# Allegro board gps_interface_boardv45ph.brd (continued)
## Routing (per net, layer and track width the routed paths; a pad name or vN(x,y) marks a point on that pad's centre or on a via; arc(x,y) is an arc through that point) (continued)
N04910_SFP INTERFACE_SFP3: length 4.2
  TOP w0.165: v1(235.28,85.17) 235.59,84.86 236.13,84.86 U30.1 ; U30.4 235.67,83.37 v1(235.28,82.98)
  BOTTOM w0.165: v1(235.28,82.98) v1(235.28,85.17)
N04910_SFP INTERFACE_SFP4: length 4.2
  TOP w0.165: U34.1 206.92,84.86 206.38,84.86 v1(206.07,85.17) ; U34.4 206.46,83.37 v1(206.07,82.98)
  BOTTOM w0.165: v1(206.07,82.98) v1(206.07,85.17)
N04910_SFP INTERFACE_SFP5: length 4.2
  TOP w0.165: U38.4 184.16,83.37 v1(183.77,82.98) ; U38.1 184.62,84.86 184.07,84.86 v1(183.77,85.17)
  BOTTOM w0.165: v1(183.77,82.98) v1(183.77,85.17)
N04910_SFP INTERFACE_SFP6: length 4.2
  TOP w0.165: v1(161.65,82.98) 162.04,83.37 U42.4 ; U42.1 162.49,84.86 161.95,84.86 v1(161.65,85.17)
  BOTTOM w0.165: v1(161.65,82.98) v1(161.65,85.17)
N04977_SFP INTERFACE_SFP1: length 4.4
  TOP w0.33: U22.5 281.11,82.16 v1(280.75,81.79) ; v1(283.06,81.79) 282.61,82.23 U22.8
  BOTTOM w0.165: v1(280.75,81.79) v1(283.06,81.79)
N04977_SFP INTERFACE_SFP2: length 4.4
  TOP w0.33: U26.5 259.04,82.26 v1(258.67,81.89) ; v1(260.99,81.89) 260.54,82.33 U26.8
  BOTTOM w0.165: v1(258.67,81.89) v1(260.99,81.89)
N04977_SFP INTERFACE_SFP3: length 4.4
  TOP w0.33: v1(236.37,81.89) 236.74,82.26 U30.5 ; U30.8 238.24,82.33 v1(238.68,81.89)
  BOTTOM w0.165: v1(236.37,81.89) v1(238.68,81.89)
N04977_SFP INTERFACE_SFP4: length 4.4
  TOP w0.33: v1(209.47,81.89) 209.03,82.33 U34.8 ; U34.5 207.53,82.26 v1(207.16,81.89)
  BOTTOM w0.165: v1(207.16,81.89) v1(209.47,81.89)
N04977_SFP INTERFACE_SFP5: length 4.4
  TOP w0.33: v1(184.86,81.89) 185.23,82.26 U38.5 ; v1(187.17,81.89) 186.73,82.33 U38.8
  BOTTOM w0.165: v1(184.86,81.89) v1(187.17,81.89)
N04977_SFP INTERFACE_SFP6: length 4.4
  TOP w0.33: U42.5 163.11,82.26 v1(162.74,81.89) ; U42.8 164.61,82.33 v1(165.05,81.89)
  BOTTOM w0.165: v1(162.74,81.89) v1(165.05,81.89)
N136741_SFP INTERFACE_SFP1: length 3.6
  TOP w0.203: v1(277.91,106.26) 279.18,106.26 279.18,106.26 D17.1
  BOTTOM w0.203: R132.1 v1(277.91,106.26)
N136741_SFP INTERFACE_SFP2: length 3.6
  TOP w0.203: v1(255.84,106.26) 257.11,106.26 257.11,106.26 D21.1
  BOTTOM w0.203: R153.1 v1(255.84,106.26)
N136741_SFP INTERFACE_SFP3: length 3.6
  TOP w0.203: D25.1 234.81,106.26 234.8,106.26 v1(233.54,106.26)
  BOTTOM w0.203: R174.1 v1(233.54,106.26)
N136741_SFP INTERFACE_SFP4: length 3.6
  TOP w0.203: D29.1 205.57,106.26 v1(204.31,106.26)
  BOTTOM w0.203: R195.1 v1(204.31,106.26)
N136741_SFP INTERFACE_SFP5: length 3.6
  TOP w0.203: v1(182,106.26) 183.27,106.26 D33.1
  BOTTOM w0.203: R216.1 v1(182,106.26)
N136741_SFP INTERFACE_SFP6: length 3.4
  TOP w0.203: v1(159.88,106.6) 160.23,106.25 161.14,106.25 161.15,106.26 D37.1
  BOTTOM w0.203: R237.1 v1(159.88,106.6)
N141568_SFP INTERFACE_SFP1: length 5
  BOTTOM w0.203: R131.2 280.06,77.8 278.89,78.97 U24.4
N141568_SFP INTERFACE_SFP2: length 5
  BOTTOM w0.203: U28.4 256.82,79.07 257.99,77.9 R152.2
N141568_SFP INTERFACE_SFP3: length 5
  BOTTOM w0.203: R173.2 235.69,77.9 234.52,79.07 U32.4
N141568_SFP INTERFACE_SFP4: length 5
  BOTTOM w0.203: U36.4 205.31,79.07 206.48,77.9 R194.2
N141568_SFP INTERFACE_SFP5: length 5
  BOTTOM w0.203: U40.4 183.01,79.07 184.18,77.9 R215.2
N141568_SFP INTERFACE_SFP6: length 6.7
  TOP w0.203: D37.2 162.55,107.86 162.59,107.9 v1(163.53,107.9)
  BOTTOM w0.203: U44.4 160.88,79.07 162.05,77.9 R236.2
N210584_SFP INTERFACE_SFP1: length 5.6
  TOP w0.203: D16.1 283.18,74.77 283.25,74.7 v1(283.25,73.82)
  BOTTOM w0.203: v1(283.25,73.82) R133.1 283.25,76.91 283.25,76.92 R131.1
N210584_SFP INTERFACE_SFP2: length 5.6
  TOP w0.203: v1(261.18,73.93) 261.18,74.8 261.11,74.87 D20.1
  BOTTOM w0.203: v1(261.18,73.93) R154.1 261.18,77.01 261.18,77.02 R152.1
N210584_SFP INTERFACE_SFP3: length 5.6
  TOP w0.203: D24.1 238.81,74.87 238.88,74.8 v1(238.88,73.93)
  BOTTOM w0.203: v1(238.88,73.93) R175.1 238.88,77.01 238.88,77.02 R173.1
N210584_SFP INTERFACE_SFP4: length 5.6
  TOP w0.203: v1(209.67,73.93) 209.67,74.8 209.6,74.87 D28.1
  BOTTOM w0.203: v1(209.67,73.93) R196.1 209.67,77.01 209.67,77.02 R194.1
N210584_SFP INTERFACE_SFP5: length 5.6
  TOP w0.203: D32.1 187.3,74.87 187.36,74.8 v1(187.36,73.93)
  BOTTOM w0.203: R215.1 187.37,77.02 187.36,77.01 R217.1 v1(187.36,73.93)
N210584_SFP INTERFACE_SFP6: length 5.6
  TOP w0.203: v1(165.24,73.93) 165.24,74.8 165.18,74.87 D36.1
  BOTTOM w0.203: v1(165.24,73.93) R238.1 165.24,77.01 165.25,77.02 R236.1
Net_72: length 0.7
  TOP w0.203: 110.26,79.13 109.56,79.13
Net_73: length 0.6
  TOP w0.203: 110.26,80.63 109.61,80.63
PG_2V5: length 12
  TOP w0.203: v1(53.57,53.77) 48.11,53.77 46.68,52.34 U12.4
  BOTTOM w0.203: Q6.1 55.11,55.04 55.13,55.02 R61.1 53.98,53.37 v1(53.57,53.77)
PG_3V3: length 32.9
  TOP w0.165: v1(51.87,71.58) 47.76,71.58 46.53,70.35 U9.4 ; U11.4 46.51,85.21 47.68,86.39 v1(51.87,86.39)
  BOTTOM w0.203: v1(51.87,71.58) v1(51.87,86.39) 52.3,86.82 R56.1 54.88,88.51 54.91,88.54 Q5.1
PG_3V5: length 18.2
  TOP w0.203: U6.31 8.06,44.82 v1(6.78,46.1)
  BOTTOM w0.203: v1(6.78,46.1) 7.29,45.59 7.29,34.21 7.3,34.2 R40.1 7.3,31.2 7.27,31.17 Q3.1
PG_5V: length 12
  TOP w0.165: U7.4 15.11,70.27 16.14,71.3 20.47,71.3
  TOP w0.203: v1(21.08,71.93) 20.47,71.32 20.47,71.3
  BOTTOM w0.203: Q4.1 23.67,73.71 23.63,73.67 R50.1 v1(21.08,71.93)
PGOOD_P5V5: length 0.8
  TOP w0.17: U100.B2 v1(-9.92,31.03)
PPS_OUT_N: length 3.7
  TOP w0.33: R12.1 41.96,128.55 41.96,130.46 41.9,130.52 U2.6
PPS_OUT_P: length 3.6
  TOP w0.33: U2.7 42.55,130.52 42.49,130.46 42.49,128.3 R11.1
R_N_SFP INTERFACE_SFP1: length 2.4
  TOP w0.178: U22.15 281.61,86.34 R130.2
R_N_SFP INTERFACE_SFP2: length 2.4
  TOP w0.178: U26.15 259.54,86.45 R151.2
R_N_SFP INTERFACE_SFP3: length 2.4
  TOP w0.178: R172.2 237.24,86.45 U30.15
R_N_SFP INTERFACE_SFP4: length 2.4
  TOP w0.178: U34.15 208.03,86.45 R193.2
R_N_SFP INTERFACE_SFP5: length 2.4
  TOP w0.178: R214.2 185.73,86.45 U38.15
R_N_SFP INTERFACE_SFP6: length 2.4
  TOP w0.178: R235.2 163.61,86.45 U42.15
R_P_SFP INTERFACE_SFP1: length 2
  TOP w0.178: R128.2 282.13,85.39 U22.14
R_P_SFP INTERFACE_SFP2: length 2
  TOP w0.178: U26.14 260.06,85.49 R149.2
R_P_SFP INTERFACE_SFP3: length 2
  TOP w0.178: U30.14 237.76,85.49 R170.2
R_P_SFP INTERFACE_SFP4: length 2
  TOP w0.178: R191.2 208.55,85.49 U34.14
R_P_SFP INTERFACE_SFP5: length 2
  TOP w0.178: U38.14 186.24,85.49 R212.2
R_P_SFP INTERFACE_SFP6: length 2
  TOP w0.178: R233.2 164.12,85.49 U42.14
RECOV_ACLK_CLK_N: length 1.4
  TOP w0.165: 108.91,83.13 109.65,83.13 109.65,83.13 U48.2
RS_SFP INTERFACE_ACLK SFP: length 2.7
  TOP w0.203: J30.7 v1(136.01,121.94)
  BOTTOM w0.203: v1(136.01,121.94) 136.01,122.51 136.02,122.52 R2681.2
RS_SFP INTERFACE_SFP1: length 2.7
  TOP w0.203: J13.7 v1(283.28,121.99)
  BOTTOM w0.203: v1(283.28,121.99) 283.28,122.56 283.29,122.57 R129.2 283.29,123.07
RS_SFP INTERFACE_SFP2: length 2.7
  TOP w0.203: J14.7 v1(261.21,121.94)
  BOTTOM w0.203: R150.2 261.21,122.52 261.21,122.51 v1(261.21,121.94)
RS_SFP INTERFACE_SFP3: length 2.7
  TOP w0.203: J18.7 v1(238.91,121.94)
  BOTTOM w0.203: v1(238.91,121.94) 238.91,122.51 238.91,122.52 R171.2
RS_SFP INTERFACE_SFP4: length 2.7
  TOP w0.203: J19.7 v1(209.67,121.94)
  BOTTOM w0.203: R192.2 209.68,122.52 209.67,122.51 v1(209.67,121.94)
RS_SFP INTERFACE_SFP5: length 2.7
  TOP w0.203: J20.7 v1(187.37,121.94)
  BOTTOM w0.203: R213.2 187.38,122.52 187.37,122.51 v1(187.37,121.94)
RS_SFP INTERFACE_SFP6: length 2.7
  TOP w0.203: J21.7 v1(165.25,121.94)
  BOTTOM w0.203: v1(165.25,121.94) 165.25,122.51 165.25,122.52 R234.2
RT_5V5: length 2.6
  TOP w0.165: R42.1 8.81,49.19 9.38,48.62 U6.26
SFP_RD_N: length 20.6
  TOP w0.33: U107.4 137.3,96.05 137.79,96.55 137.79,99.29 135.36,101.73 135.36,107.73 134.95,108.14 134.95,110.46 134.81,110.59 J30.12
SFP_RD_P: length 20.5
  TOP w0.33: J30.13 135.61,110.59 135.48,110.46 135.48,108.36 135.89,107.95 135.89,101.95 138.33,99.51 138.33,96.55 138.8,96.07 U107.1
SFP_TD_N_SFP INTERFACE_SFP1: length 38
  TOP w0.178: R126.1 R122.2 288.69,81.97 C141.2
  TOP w0.33: C141.2 288.94,83.44 291.19,83.44 293.67,85.93 293.67,91.31 286.64,98.35 286.64,107.55 287.55,108.46 287.55,110.51 287.68,110.64 J13.19
SFP_TD_N_SFP INTERFACE_SFP2: length 37.9
  TOP w0.178: C164.2 266.61,82.07 R143.2 R147.1
  TOP w0.33: C164.2 266.87,83.54 269.27,83.54 271.6,85.88 271.6,91.26 264.57,98.3 264.57,107.5 265.48,108.41 265.48,110.46 265.61,110.59 J14.19
SFP_TD_N_SFP INTERFACE_SFP3: length 37.9
  TOP w0.178: R168.1 R164.2 244.31,82.07 C187.2
  TOP w0.33: J18.19 243.31,110.59 243.18,110.46 243.18,108.41 242.27,107.5 242.27,98.3 249.3,91.26 249.3,85.88 246.99,83.57 244.59,83.57 C187.2
SFP_TD_N_SFP INTERFACE_SFP4: length 37.9
  TOP w0.178: C210.2 215.1,82.07 R185.2 R189.1
  TOP w0.33: J19.19 214.07,110.59 213.94,110.46 213.94,108.41 213.03,107.5 213.03,98.3 220.07,91.26 220.07,85.88 217.65,83.46 215.28,83.46 C210.2
SFP_TD_N_SFP INTERFACE_SFP5: length 37.3
  TOP w0.178: R210.1 R206.2 192.8,82.07 C233.2
  TOP w0.33: J20.19 191.77,110.59 191.64,110.46 191.64,108.41 190.73,107.5 190.73,98.09 196.95,91.86 196.95,84.95 195.57,83.57 193.08,83.57 C233.2
SFP_TD_N_SFP INTERFACE_SFP6: length 37.9
  TOP w0.178: R231.1 R227.2 170.68,82.07 C256.2
  TOP w0.33: C256.2 170.86,83.46 173.23,83.46 175.64,85.88 175.64,91.26 168.61,98.3 168.61,107.5 169.52,108.41 169.52,110.46 169.65,110.59 J21.19
SFP_TD_P_SFP INTERFACE_SFP1: length 37.1
  TOP w0.178: R123.1 R121.2 288.69,85.44 C140.2
  TOP w0.33: C140.2 288.99,83.97 290.96,83.97 293.14,86.15 293.14,91.09 286.11,98.13 286.11,107.77 287.02,108.68 287.02,110.51 286.88,110.64 J13.18
SFP_TD_P_SFP INTERFACE_SFP2: length 37.1
  TOP w0.178: 266.61,85.49 R142.2 ; 266.61,85.49 266.61,85.55 266.62,85.55 265.58,85.55 R144.1 ; 266.61,85.49 C163.2
  TOP w0.33: C163.2 266.92,84.07 269.04,84.07 271.07,86.1 271.07,91.04 264.03,98.08 264.03,107.72 264.94,108.63 264.94,110.46 264.81,110.59 J14.18
SFP_TD_P_SFP INTERFACE_SFP3: length 37
  TOP w0.178: R165.1 R163.2 244.31,85.55 C186.2
  TOP w0.33: J18.18 242.51,110.59 242.64,110.46 242.64,108.63 241.73,107.72 241.73,98.08 248.77,91.04 248.77,86.1 246.77,84.1 244.59,84.1 C186.2
SFP_TD_P_SFP INTERFACE_SFP4: length 37
  TOP w0.178: C209.2 215.1,85.55 R184.2 R186.1
  TOP w0.33: J19.18 213.27,110.59 213.41,110.46 213.41,108.63 212.5,107.72 212.5,98.08 219.53,91.04 219.53,86.1 217.43,84 215.48,84 C209.2
SFP_TD_P_SFP INTERFACE_SFP5: length 36.3
  TOP w0.178: R207.1 R205.2 192.8,85.55 C232.2
  TOP w0.33: C232.2 193.08,84.1 195.35,84.1 196.42,85.17 196.42,91.64 190.2,97.87 190.2,107.72 191.11,108.63 191.11,110.46 190.97,110.59 J20.18
SFP_TD_P_SFP INTERFACE_SFP6: length 37
  TOP w0.178: R228.1 R226.2 170.68,85.55 C255.2
  TOP w0.33: C255.2 171.06,84 173.01,84 175.11,86.1 175.11,91.04 168.07,98.08 168.07,107.72 168.98,108.63 168.98,110.46 168.85,110.59 J21.18
SPARE_BNC_CONN_0: length 29.8
  TOP w0.203: 289.84,22.73 289.84,18.3 289.32,17.78 R109.1 289.32,16.24 289.89,15.67 289.89,11.94 288.72,10.77 288.21,10.77 287.22,9.78 287.22,8.28 287.71,7.8 289.56,7.8 P1.1
  BOTTOM w0.203: TP79.1 292.3,9.17 P1.1
SPARE_BNC_CONN_1: length 26.1
  TOP w0.165: 290.86,17.79 290.87,17.78 ; 290.34,11.12 290.32,11.14
  TOP w0.203: 290.87,17.78 R108.1 290.87,16.29 290.32,15.75 290.32,11.14 ; 290.86,17.79 290.86,18.19 290.34,18.7 290.34,22.73 ; P1.3 290.34,11.12
  BOTTOM w0.203: TP78.1 294.28,7.9 289.66,7.9 P1.3
SPARE_LEMO_CONN_0: length 38.3
  TOP w0.203: 282.83,22.76 282.83,18.57 282.28,18.02 R105.1 282.28,16.17 282.85,15.6 282.85,10.95 281.94,10.03 281.94,8.86 282.93,7.87 284.56,7.87 P1.5
  SIG w0.203: TP77.1 272.78,15.16 274.14,13.8 284.7,13.8 285.85,12.65 P1.5
SPARE_LEMO_CONN_1: length 26.8
  TOP w0.203: P1.7 283.31,15.52 283.88,16.09 R104.1 283.88,18.05 283.33,18.6 283.33,22.76
  SIG w0.203: P1.7 280.52,11.96 TP76.1
SPARE_RJ45_CM: length 18.6
  BOTTOM w0.165: TP27.1 232.88,18.96 C129.1 236.45,19.49 236.46,19.51 R116.1 R117.1 238.11,19.5 238.1,19.49 C127.1 239.1,18.96 239.12,18.99 C128.1 242.16,18.99 242.66,18.49 J17.P1
SS_2V5: length 3
  TOP w0.17: U12.13 41.82,51.84 40.15,53.52 C85.1
SS_3V3_1: length 3
  TOP w0.17: C65.1 40.12,71.52 41.8,69.85 U9.13
SS_3V3_2: length 3
  TOP w0.17: C76.1 40.1,86.38 41.77,84.71 U11.13
SS_5V: length 3
  TOP w0.17: U7.13 10.38,69.77 8.7,71.45 C57.1
SYNC_OUT_N: length 3.6
  TOP w0.33: U3.6 16.52,130.49 16.58,130.44 16.58,128.5 R16.1
SYNC_OUT_P: length 3.6
  TOP w0.33: U3.7 17.17,130.49 17.11,130.44 17.11,128.4 R15.1
TEMP_ADDR: length 5.5
  TOP w0.203: U46.7 U46.6 U46.5 R253.1
THRADJ: length 2.5
  TOP w0.17: C2733.2 133.73,72.4 R2686.2 134.07,72.06 U104.9
VP2V5: length 8.6
  TOP w0.165: 46.09,51.34 46.52,51.34 46.56,51.31
  TOP w0.203: v1(56.59,46.94) 56.97,46.56 U13.11
  SIG w0.203: 50.83,48.97 52.04,47.75 55.27,47.75 56.08,46.94 v1(56.59,46.94)
VP3V3: length 7.4
  TOP w0.203: U10.11 v1(61.44,68.35)
  BOTTOM w0.203: v1(61.44,68.35) v1(55.19,68.35)
VP3V5: length 13
  TOP w0.165: U12.14 41.99,51.34 41.99,51.33 ; U12.17 43.77,49.59 43.76,49.58 ; U9.14 41.97,69.35 41.96,69.34 ; U9.17 43.75,67.6 43.74,67.59
  BOTTOM w0.203: R41.1 4.16,43.24 4.15,43.23 C51.1
  BOTTOM w0.33: v1(22.48,42.44) 25.86,39.07 26.52,39.07 28.75,36.83 TP11.1
  vias: v1(26.75,49.71) v1(26.75,48.67) v1(26.75,47.62) v1(26.75,46.58) v1(26.75,45.54) v1(26.75,44.5) v1(26.75,43.46) v1(26.75,42.42) v1(26.75,41.38) v1(36.55,83.82) v1(36.55,82.75) v1(36.55,81.69) v1(36.55,68.96) v1(36.55,67.89) v1(36.55,66.83) v1(36.58,50.9) v1(36.58,49.83) v1(36.58,48.77) v1(37.62,83.82) v1(37.62,82.75) v1(37.62,81.69) v1(37.62,68.96) v1(37.62,67.89) v1(37.62,66.83) v1(37.64,50.9) v1(37.64,49.83) v1(37.64,48.77) v1(38.68,83.82) v1(38.68,82.75) v1(38.68,81.69) v1(38.68,68.96) v1(38.68,67.89) v1(38.68,66.83) v1(38.71,50.9) v1(38.71,49.83) v1(38.71,48.77)
VP5V: length 10
  TOP w0.165: U7.19 13.33,67.52 13.34,67.51
  TOP w0.203: U8.11 U8.12 25.03,64.06 24.24,64.85 v1(23.11,64.85)
  BOTTOM w0.203: C58.2 v1(23.11,64.85) 21.44,64.85 TP15.1
VP5V5: length 7.9
  TOP w0.165: U100.F5 v1(-5.01,24.85) ; U100.F4 v1(-6.28,24.85) ; 10.54,69.27 10.55,69.27 U7.14 ; U100.H5 v1(-5.01,22.31) ; U100.H4 v1(-6.28,22.31) ; 12.32,67.51 12.33,67.52 U7.17 ; U100.G4 v1(-6.28,23.58) ; U100.G3 v1(-7.55,23.58) ; U100.F3 v1(-7.55,24.85) ; U100.G5 v1(-5.01,23.58) ; U100.H3 v1(-7.55,22.31)
  vias: v1(5.13,67.44) v1(5.13,66.07) v1(5.18,68.78) v1(6.25,67.46) v1(6.27,68.78) v1(6.27,66.07) v1(7.42,68.78) v1(7.47,67.51) v1(7.47,66.07)
VP12V: length 15
  TOP w0.165: U6.4 10.88,43.01 10.87,43 ; 11.89,43.03 11.88,43.03 U6.6 ; U100.B5 v1(-5.01,31.03) ; U6.5 11.38,43.01 11.38,43 ; U100.B4 v1(-6.28,31.03) ; U6.25 9.88,48.03 10.79,48.95 ; U100.A1 v1(-11.19,32.3) ; U100.A5 v1(-5.01,32.3) ; U100.A4 v1(-6.28,32.3) ; 11.38,48.13 11.38,48.13 U6.22 ; 11.89,48.13 11.88,48.13 U6.21 ; 10.9,48.16 10.88,48.14 U6.23
  TOP w0.203: v1(40.72,31.5) 41.81,30.4 TP9.1
  vias: v1(10.46,40.77) v1(10.46,39.73) v1(10.46,38.66) v1(10.64,52.65) v1(10.67,51.74) v1(10.67,50.77) v1(11.4,48.97) v1(11.38,41.94) v1(11.99,52.6) v1(12.01,51.71) v1(34.92,31.5) v1(34.87,30.15) v1(34.87,28.78) v1(36.02,31.5) v1(35.99,30.18) v1(36.02,28.78) v1(37.16,31.5) v1(37.21,30.23) v1(37.21,28.78) v1(38.43,30.15) v1(38.43,28.78) v1(38.48,31.5) v1(39.55,30.18) v1(39.57,31.5) v1(39.57,28.78) v1(40.77,30.23) v1(40.77,28.78)
VREF: length 1.6
  TOP w0.17: U104.3 138.29,73.86 C2734.1
N00534: length 5.2
  BOTTOM w0.203: C1.1 86.99,136.89 86.98,136.89 R4.1 R2.2
N00638: length 3.5
  TOP w0.203: v1(79.45,135.99) 79.84,135.61 U1.4
  BOTTOM w0.203: v1(79.45,135.99) 79.85,136.39 C3.1
N01450: length 4.6
  TOP w0.17: U104.14 134.43,69.56 134.06,69.19 134.06,68.29 133.89,68.12 133.22,68.12 133.06,67.96 C2732.1
N01454: length 4.8
  TOP w0.17: C2732.2 132.72,66.96 133.4,67.64 134.19,67.64 134.39,67.84 134.39,68.78 134.67,69.06 U104.15
N01590: length 2.7
  TOP w0.203: R9.1 78.47,131.1 78.48,131.09 U1.7
N02604: length 14.4
  TOP w0.203: R266.1 66.21,133.43 65.63,132.84 61.74,132.84 61.07,132.17 R10.2
  TOP w0.305: U47.1 64.72,134.37 64.85,134.24 v1(65.4,134.24) 65.96,134.8 R265.2 R266.1
  BOTTOM w0.305: v1(65.4,134.24) C5.1
N02878: length 1.9
  TOP w0.203: U47.5 61.75,131.27 61.75,131.27 R10.1
N89867: length 1.4
  TOP w0.165: U48.25 115.01,74.77 115.01,74.77 R21.2
N89871: length 3.8
  TOP w0.203: v1(111.35,81.81) 111.35,81.81 111.02,82.13 U48.4
  BOTTOM w0.203: v1(111.35,81.81) 110.85,81.81 110.55,82.12 R20.2
N89889: length 4.3
  TOP w0.203: U48.3 110.89,82.63 110.89,82.63 v1(111.61,82.63)
  BOTTOM w0.203: R22.2 111.07,83.16 v1(111.61,82.63)
N89893: length 1.4
  TOP w0.203: U48.48 119.89,83.63 119.92,83.67 R19.2
N90109: length 1.5
  TOP w0.165: U48.19 112.01,74.47 112.01,74.47 R26.2
N90113: length 1.5
  TOP w0.165: R25.2 111,74.47 111.01,74.48 U48.17
N90529: length 6.5
  TOP w0.203: v1(111.46,79.04) 111.04,78.63 U48.11 ; v1(109.52,75.59) R23.2
  SIG w0.203: v1(111.46,79.04) 109.52,77.11 v1(109.52,75.59)
N107878: length 1.5
  TOP w0.165: U48.39 119.87,79.13 119.88,79.15 R24.2
N127138: length 8.1
  TOP w0.203: v1(80.98,136.47) 80.36,135.86 80.36,135.84 80.34,135.82 U1.3
  BOTTOM w0.203: v1(80.98,136.47) 83.87,136.47 84.71,135.64 C1.2
N140138: length 2.9
  TOP w0.165: U6.15 15.1,46.32 15.11,46.3 ; U6.14 15.11,45.82 15.11,45.82 ; U6.12 15.12,44.82 15.14,44.83 ; 15.11,46.81 15.11,46.82 U6.16 ; U6.13 15.11,45.32 15.11,45.31
N146225: length 0.9
  TOP w0.165: U9.2 46.5,69.35 46.53,69.32 ; 44.75,67.59 44.75,67.6 U9.19
N146320: length 2.4
  TOP w0.17: v1(46.02,72.52) 46,72.49 45.6,72.49 45.25,72.14 U9.6
  BOTTOM w0.17: v1(46.02,72.52) 45.75,72.8 R63.1
N146332: length 1.9
  TOP w0.17: U9.11 v1(41.59,70.85)
  BOTTOM w0.17: v1(41.59,70.85) 41.03,70.85 41.02,70.87 R65.1
N146446: length 2.3
  TOP w0.17: U9.10 43.25,72.06 42.86,72.44 v1(42.6,72.44)
  BOTTOM w0.17: R64.1 42.75,72.82 42.6,72.67 v1(42.6,72.44)
N179430: length 1.7
  TOP w0.127: U48.51 117.51,85.06 117.25,85.32 C34.1
N179442: length 1.7
  TOP w0.127: U48.50 118.01,85.58 C35.1
N180853: length 1.5
  TOP w0.127: C34.2 117.25,87.6 117.45,87.81 117.45,88.2 117.32,88.32
N180901: length 1.5
  TOP w0.127: C35.2 118.36,87.46 118.18,87.65 118.18,88.27 118.24,88.32
N185241: length 0.5
  TOP w0.165: 46.51,84.18 46.47,84.21 U11.2
N222457: length 1.1
  TOP w0.203: D43.2 133.54,107.86 v1(133.63,107.77)
N222469: length 3.4
  TOP w0.203: D43.1 131.91,106.26 131.9,106.25 131,106.25 v1(130.65,106.6)
  BOTTOM w0.203: R2690.1 v1(130.65,106.6)
N224400: length 17.3
  TOP w0.203: v1(214.45,30.4) 214.45,17.5 214.81,17.14 U53.16 ; J18.2 v1(242.91,122.03)
  BOTTOM w0.203: v1(242.91,122.03) 242.91,123.01 R166.2
N224404: length 16.8
  TOP w0.203: v1(237.85,121.97) 237.91,121.97 238.11,121.77 J18.8 ; v1(217.32,30.33) 217.32,18 217.12,17.79 U53.15
  BOTTOM w0.203: R167.2 237.97,122.1 v1(237.85,121.97)
N224432: length 23.3
  TOP w0.203: U53.20 212.66,14.54 210.34,12.22 210.34,8.99 209.85,8.51 v1(199.72,8.51) ; J19.2 v1(213.67,122.03)
  BOTTOM w0.203: v1(213.67,122.03) 213.67,123.01 R187.2
N224436: length 22.3
  TOP w0.203: v1(200.61,9.32) 209.35,9.32 209.83,9.8 209.83,12.6 212.43,15.19 U53.19 ; J19.8 208.87,121.77 208.67,121.97 v1(208.61,121.97)
  BOTTOM w0.203: v1(208.61,121.97) 208.74,122.1 R188.2
N224464: length 20.5
  TOP w0.203: v1(209.6,30.56) 209.6,17.63 207.69,15.72 U52.7 ; J20.2 v1(191.37,122.03)
  BOTTOM w0.203: v1(191.37,122.03) 191.37,123.01 R208.2
N224468: length 22.9
  TOP w0.203: U52.6 206.29,15.07 206.32,15.04 209.52,15.04 210.74,16.26 v1(210.74,30.56) ; J20.8 186.57,121.77 186.37,121.97 v1(186.31,121.97)
  BOTTOM w0.203: R209.2 186.44,122.1 v1(186.31,121.97)
N224492: length 71.9
  TOP w0.203: J21.2 v1(169.25,122.03) ; v1(207.37,30.51) 207.37,19.08 206.6,18.32 U52.11
  BOTTOM w0.165: U44.1 157.95,88.91 155.83,91.03 155.83,94.01 158.34,96.52 166.12,96.52 168.35,98.76 168.35,105.21 169.67,106.53 169.67,112.04 172.62,114.99 172.62,121.28 171.87,122.03 v1(169.25,122.03)
  BOTTOM w0.203: R229.2 169.25,123.01 v1(169.25,122.03)
N224496: length 73.9
  TOP w0.203: v1(208.51,30.56) 208.51,19.6 206.57,17.67 U52.10 ; v1(164.19,121.97) 164.25,121.97 164.45,121.77 J21.8
  BOTTOM w0.165: v1(164.19,121.97) 164.19,120.62 160.71,117.14 160.71,115.39 163.53,112.57 163.53,110.52 164.92,109.12 164.92,98.96 163.53,97.56 157.2,97.56 154.94,95.3 154.94,90.17 156.59,88.52 156.59,80.8 157.1,80.29 158.04,80.29 158.9,81.15 U44.2
  BOTTOM w0.203: v1(164.19,121.97) 164.31,122.1 R230.2
N245271: length 3.5
  TOP w0.305: D5.2 20.94,76.12 20.95,76.13 v1(21.96,76.13)
  BOTTOM w0.305: Q4.2 v1(21.96,76.13)
N245311: length 7.2
  TOP w0.305: D5.1 v1(18.61,78.12)
  BOTTOM w0.305: R51.1 21.21,78.51 20.82,78.12 v1(18.61,78.12)
N245859: length 7.3
  TOP w0.305: D4.2 v1(9.09,33.05)
  BOTTOM w0.305: v1(9.09,33.05) 9.09,29.57 8.27,28.74 Q3.2
N245899: length 4.1
  TOP w0.305: D4.1 v1(12.31,31.05)
  BOTTOM w0.305: v1(12.31,31.05) 12.31,29.89 12.3,29.88 R44.1
N246142: length 3.3
  TOP w0.305: D6.2 52.33,90.96 52.34,90.97 v1(53.35,90.97)
  BOTTOM w0.305: Q5.2 v1(53.35,90.97)
N246182: length 6.9
  TOP w0.305: D6.1 v1(50,92.82)
  BOTTOM w0.305: v1(50,92.82) 50.62,93.45 R57.1
N266416: length 15.9
  TOP w0.203: J14.2 v1(265.21,122.03) ; U53.11 220.87,18.44 220.07,19.25 v1(220.07,30.35)
  BOTTOM w0.203: v1(265.21,122.03) 265.21,123.01 R145.2
N266420: length 17.7
  TOP w0.203: v1(218.92,30.33) 218.92,18.97 220.1,17.79 U53.10 ; v1(260.15,121.97) 260.21,121.97 260.41,121.77 J14.8
  BOTTOM w0.203: v1(260.15,121.97) 260.27,122.1 R146.2
N280018: length 3.6
  TOP w0.305: D7.2 52.25,57.48 52.27,57.46 v1(53.6,57.46)
  BOTTOM w0.305: Q6.2 v1(53.6,57.46)
N280022: length 11.1
  TOP w0.305: D7.1 v1(47.85,57.48)
  BOTTOM w0.305: R62.1 52.7,60.25 52.27,59.82 48.97,59.82 47.85,58.7 v1(47.85,57.48)
N304882: length 5.1
  TOP w0.203: v1(8.76,40.56) 8.76,41.69 9.88,42.81 U6.2
  BOTTOM w0.203: C17.1 v1(8.76,40.56)
N322365: length 2.9
  TOP w0.17: v1(46.94,71.6) 46.94,71.26 46.53,70.85 U9.5
  BOTTOM w0.17: R70.1 47.22,70.84 46.94,71.12 v1(46.94,71.6)
N322369: length 2
  TOP w0.17: v1(44.98,72.67) 44.75,72.43 U9.7
  BOTTOM w0.17: R112.1 44.98,73.21 v1(44.98,72.67)
N322373: length 2
  TOP w0.17: U9.9 43.75,72.28 v1(43.43,72.59)
  BOTTOM w0.17: v1(43.43,72.59) 43.43,73.11 R113.1
N323562: length 2.6
  TOP w0.17: v1(46.84,86.49) 46.84,86.16 46.39,85.71 U11.5
  BOTTOM w0.17: v1(46.84,86.49) 47.07,86.49 R114.1
N323566: length 3
  TOP w0.17: U11.6 45.22,86.75 45.97,87.5 v1(46.15,87.5)
  BOTTOM w0.17: v1(46.15,87.5) 46.15,87.94 45.75,88.34 R115.1
N323570: length 2.5
  TOP w0.17: v1(44.98,87.68) 44.96,87.68 44.72,87.44 U11.7
  BOTTOM w0.17: v1(44.98,87.68) 44.98,88.58 R118.1
N323574: length 2.6
  TOP w0.17: U11.9 43.72,87.47 v1(43.38,87.81)
  BOTTOM w0.17: R255.1 43.38,88.5 v1(43.38,87.81)
N323578: length 2.9
  TOP w0.17: v1(42.39,87.45) 42.57,87.45 43.22,86.8 U11.10
  BOTTOM w0.17: v1(42.39,87.45) 42.54,87.6 42.54,88.18 42.7,88.34 R256.1
N323582: length 1.9
  TOP w0.17: U11.11 v1(41.59,85.71)
  BOTTOM w0.17: v1(41.59,85.71) 41.03,85.71 41.02,85.7 R257.1
N325169: length 3
  TOP w0.17: v1(46.13,54.71) 45.65,54.71 45.27,54.34 U12.6
  BOTTOM w0.165: v1(46.13,54.71) 45.82,55.02 45.82,55.43 45.8,55.45 R259.1
N325173: length 2.5
  TOP w0.17: U12.7 44.77,54.63 v1(45.09,54.94)
  BOTTOM w0.17: v1(45.09,54.94) 44.78,55.24 R260.1
N325177: length 2.5
  TOP w0.17: v1(43.56,54.86) 43.77,54.65 U12.9
  BOTTOM w0.17: v1(43.56,54.86) 43.77,55.08 43.77,55.44 43.76,55.45 R261.1
N325181: length 2.5
  TOP w0.17: v1(42.72,54.86) 43.27,54.31 U12.10
  BOTTOM w0.17: R262.1 42.75,55.45 42.72,55.43 v1(42.72,54.86)
N325185: length 1.9
  TOP w0.17: U12.11 v1(41.6,52.84)
  BOTTOM w0.17: v1(41.6,52.84) 41.09,52.84 41.04,52.88 R263.1
N325191: length 3
  TOP w0.17: U12.5 46.19,52.84 46.86,53.51 v1(46.86,53.75)
  BOTTOM w0.17: R258.1 47.27,52.83 46.86,53.24 v1(46.86,53.75)
N339027: length 12.9
  TOP w0.305: D2.2 106.3,70.82 106.69,70.42 v1(106.69,69.71)
  BOTTOM w0.305: Q1.2 106.09,62.17 106.69,62.78 R32.1 v1(106.69,69.71)
N339674: length 5.9
  TOP w0.305: v1(102.21,68.22) 102.49,68.5 D1.1
  BOTTOM w0.305: R32.2 R33.1 102.21,67.07 v1(102.21,68.22)
N339693: length 3.1
  TOP w0.305: D2.1 v1(102.21,70.82)
  BOTTOM w0.305: R34.1 102.2,70.12 102.21,70.13 v1(102.21,70.82)
N350589: length 2.1
  BOTTOM w0.203: R110.1 300.41,19.42 300.41,19.43 J15.1
N350593: length 2.1
  BOTTOM w0.203: R111.1 300.45,24.37 300.43,24.38 J16.1
N351209: length 20.9
  TOP w0.203: J13.2 v1(287.28,122.08) ; U53.7 224.94,15.84 226.01,16.92 v1(226.01,30.45)
  BOTTOM w0.203: R124.2 287.28,123.01 v1(287.28,122.08)
N351234: length 22.8
  TOP w0.203: J13.8 282.48,121.82 282.28,122.02 v1(282.22,122.02) ; U53.6 225.89,15.19 227.13,16.43 v1(227.13,30.48)
  BOTTOM w0.203: 282.35,123.07 R125.2 282.35,122.15 v1(282.22,122.02)
N352210: length 2.4
  BOTTOM w0.203: R106.1 271.7,19.45 271.72,19.43 J11.1
N352214: length 2.4
  BOTTOM w0.305: R107.1 271.7,24.37 271.72,24.38 J12.1
N361011: length 25.6
  TOP w0.203: v1(229.31,30.53) 229.31,16.43 226.77,13.89 U53.4 ; J30.8 135.21,121.77 135.01,121.97 v1(134.95,121.97)
  BOTTOM w0.203: v1(134.95,121.97) 135.08,122.1 R2677.2
N361478: length 24
  TOP w0.203: U53.5 226.35,14.54 228.22,16.41 v1(228.22,30.48) ; J30.2 v1(140.01,122.03)
  BOTTOM w0.203: R2676.2 140.01,123.01 v1(140.01,122.03)
N361490: length 14.8
  TOP w0.203: v1(223.72,30.43) 223.72,17.83 223.04,17.14 U53.9
N361502: length 16.3
  TOP w0.203: U53.8 223.78,16.49 224.87,17.58 v1(224.87,30.43)
N437368: length 14.4
  TOP w0.203: J17.P7 253.62,18.49 J17.P9 253.97,17.22 J17.P8 J17.P6
  BOTTOM w0.203: J17.P9 258.37,18.49 258.43,18.43 R254.2
N437754: length 12.1
  TOP w0.305: R43.2 239.6,9.86 242.29,7.16 245.86,7.16 J17.P12
N437768: length 17.4
  TOP w0.305: R39.2 261.72,17.14 260.78,16.21 260.78,8.74 259.28,7.24 256.59,7.24 J17.P13
N575036: length 4.8
  TOP w0.203: U19.1 91.34,113.89 v1(90.73,114.5)
  BOTTOM w0.203: v1(90.73,114.5) 89.48,115.75 R93.1
N575058: length 4.5
  TOP w0.203: v1(89.99,113.61) 90.37,113.24 U19.2
  BOTTOM w0.203: R94.1 89.23,114.38 v1(89.99,113.61)
N575080: length 3.3
  TOP w0.203: v1(100.18,111.91) 99.46,111.91 99.44,111.94 U19.21
  BOTTOM w0.203: R95.1 v1(100.18,111.91)
N576735: length 5.6
  TOP w0.203: U17.8 111.33,27.92 v1(110.59,27.18)
  BOTTOM w0.203: v1(110.59,27.18) 110.59,28.96 111.34,29.7 R81.1
N576751: length 4.9
  TOP w0.203: v1(108.18,26.97) 107.74,27.42 U18.8
  BOTTOM w0.203: R82.1 107.74,29.39 108.18,28.95 v1(108.18,26.97)
N635255: length 4.4
  TOP w0.305: D8.2 100.86,97.36 100.84,97.37 v1(99.51,97.37)
  BOTTOM w0.305: Q7.2 v1(99.51,97.37)
N635295: length 4.8
  TOP w0.305: D8.1 v1(103.19,100.58)
  BOTTOM w0.305: R37.1 103.21,100.04 103.19,100.06 v1(103.19,100.58)
N637994: length 4.9
  TOP w0.203: D15.2 74.31,-10.43 74.31,-10.43 74.31,-11.58 72.68,-13.21 Q12.2
N638034: length 4.4
  TOP w0.203: D15.1 v1(71.07,-9.73)
  BOTTOM w0.203: R80.1 71.91,-8.1 71.07,-8.94 v1(71.07,-9.73)
N638123: length 9.1
  TOP w0.203: U15.4 75.45,-20.9 75.79,-20.55 75.79,-14.25 75.44,-13.89 75.13,-13.89 75.11,-13.91 Q12.1
N638285: length 5.4
  TOP w0.203: U15.3 73.11,-20.9 72.67,-21.34 71.4,-21.34 71.04,-20.98 70.82,-20.98 70.81,-20.97 R78.2 69.24,-20.97 69.21,-20.95 R79.1
N638693: length 5
  TOP w0.203: Q11.2 67.78,-13.22 69.55,-11.46 69.55,-10.42 69.56,-10.41 D14.2
N638733: length 4.5
  TOP w0.203: D14.1 v1(66.32,-9.7)
  BOTTOM w0.203: R74.1 67.16,-8.03 66.32,-8.86 v1(66.32,-9.7)
N665913: length 2.1
  BOTTOM w0.203: C123.2 262.9,17.52 262.89,17.53 R254.1
N716600: length 2.2
  TOP w0.17: U107.3 137.8,93.76 137.92,93.88 138.18,93.88 138.3,93.76 U107.2
N717829: length 6.8
  TOP w0.203: 137.89,88.06 137.89,88.11 137.82,88.18 137.82,89.21 137.8,89.23 U107.10
  TOP w0.33: 137.89,88.06 137.89,87.34 v1(138.25,86.98)
  BOTTOM w0.33: C2748.1 138.28,84.61 137.81,85.08 137.81,86.54 v1(138.25,86.98)
N717833: length 6.8
  TOP w0.203: U107.9 137.3,89.23 137.28,89.21 137.28,88.18 137.21,88.11 137.21,88.06
  TOP w0.33: v1(136.83,86.98) 137.21,87.36 137.21,88.06
  BOTTOM w0.33: C2747.1 136.8,84.61 137.27,85.08 137.27,86.54 v1(136.83,86.98)
N727253: length 10.5
  TOP w0.33: QZ1.6 QZ1.1 185.52,21.53 C2749.1 C2750.1 185.42,25.63 L22.1
N804236: length 0.8
  TOP w0.17: U100.B1 v1(-11.19,31.03)
N804492: length 0.8
  TOP w0.17: U100.A2 v1(-9.92,32.3)

## Copper pours and planes (outline as drawn; the poured copper is in the pictures)
12V_FANS on PWR2: 1.52,131.88 10.26,131.88 10.59,131.55 10.59,17.68 11.4,16.87 272.14,16.87 272.67,16.33 272.67,2.26 272.06,1.65 1.83,1.65 1.17,2.31 1.17,131.52
12V_FUSE on TOP: 30.73,27.18 61.01,27.18 61.47,26.72 61.47,14.15 61.01,13.69 49.71,13.69 49.71,21.82 49.66,21.77 30.73,21.77
12V_IN on TOP: 49.38,13.5 60.98,13.5 61.48,13 61.48,2 60.48,1 19.15,1 19.15,4.9 37.97,4.9 37.99,4.92 37.99,15.98 37.82,16.15 37.8,16.13 28.04,16.13 27.99,16.18 27.99,21.51 49.38,21.51
GND_IN on TOP: 19.15,27.18 30.2,27.18 30.2,21.77 27.64,21.77 27.64,15.93 37.21,15.93 37.24,15.9 37.24,10.41 19.15,10.41
GND_POWER on TOP (solid shape): 13.84,68.76 13.03,68.76 13.03,68.43 12.91,68.3 12.91,65.3 13.03,65.18 13.03,65.15 13.11,65.07 20.83,65.07 20.95,64.95 20.95,59.89 20.83,59.77 4.7,59.77 4.55,59.92 4.55,65.02 4.6,65.07 12.5,65.07 12.52,65.08 12.75,65.3 12.75,68.3 12.58,68.47 12.57,68.47 12.57,68.76 11.81,68.76 11.81,70.79 13.84,70.79
GND_POWER on TOP (solid shape): 45.29,50.83 44.48,50.83 44.48,50.49 44.35,50.37 44.35,47.37 44.48,47.25 44.48,47.22 44.55,47.14 52.27,47.14 52.4,47.02 52.4,41.96 52.27,41.83 36.14,41.83 35.99,41.99 35.99,47.09 36.04,47.14 43.94,47.14 43.97,47.15 44.19,47.37 44.19,50.37 44.02,50.54 44.02,50.54 44.02,50.83 43.26,50.83 43.26,52.86 45.29,52.86
GND_POWER on TOP (solid shape): 104.22,93.95 104.22,91.08 104.09,90.96 98.91,90.96 98.86,90.91 98.86,89.97 98.78,89.97 98.73,89.92 98.73,89.1 98.81,89.03 104.19,89.03 104.22,89 104.22,87.99 104.17,87.93 93.6,87.93 93.52,88.01 93.52,88.88 96.95,88.88 97.15,89.08 97.15,90.02 96.98,90.19 96.98,90.73 97.1,90.85 97.1,92.46 96.9,92.66 93.52,92.66 93.52,93.98 93.62,94.08 104.09,94.08
GND_POWER on TOP (solid shape): 20.9,74.5 20.9,72.49 20.87,72.48 20.76,72.42 20.66,72.34 13.13,72.34 13.06,72.26 13.06,72.05 12.97,72.05 12.97,71.44 12.98,71.4 12.99,71.35 12.97,71.26 12.89,71.22 12.76,71.22 12.68,71.26 12.67,71.35 12.68,71.4 12.68,71.44 12.68,72.05 12.6,72.05 12.6,72.26 12.52,72.34 4.62,72.34 4.55,72.42 4.55,74.45 4.65,74.55 20.85,74.55
GND_POWER on TOP: 43.23,70.87 45.26,70.87 45.26,68.83 44.45,68.83 44.45,65.23 44.53,65.15 52.25,65.15 52.37,65.02 52.37,59.97 52.25,59.84 36.12,59.84 35.97,59.99 35.97,65.1 36.02,65.15 43.92,65.15 43.99,65.23 43.99,68.83 43.23,68.83
GND_POWER on TOP: 1.22,34.54 25.76,34.54 25.76,57.15 1.22,57.15
GND_POWER on TOP: 43.99,87.2 43.99,86.21 44.04,86.16 44.4,86.16 44.45,86.21 44.45,87.2 44.53,87.27 52.25,87.27 52.3,87.33 52.3,89.43 52.25,89.48 36.04,89.48 35.94,89.38 35.94,87.35 36.02,87.27 43.92,87.27
GND_POWER on TOP: 56.36,80.75 56.36,85.75 56.54,85.93 62.92,85.93 63.17,85.67 63.17,80.64 63.02,80.49 56.62,80.49
GND_POWER on TOP: 56.57,70.74 60.73,70.74 60.93,70.54 60.93,65.53 60.71,65.3 56.64,65.3 56.39,65.56 56.39,70.56
GND_POWER on TOP: 19.56,33.15 30.2,33.15 30.2,27.41 19.15,27.41 19.15,32.74
GND_POWER on TOP: 53.19,57.51 65.3,57.51 65.53,57.28 65.53,54.53 65.41,54.41 44.58,54.41 44.5,54.33 44.5,53.34 44.45,53.29 44.09,53.29 44.04,53.34 44.04,54.33 43.97,54.41 36.07,54.41 35.99,54.48 35.99,56.52 36.09,56.62 52.3,56.62
GND_POWER on TOP: 43.13,85.8 45.31,85.8 45.31,83.62 44.42,83.62 44.42,80.09 44.5,80.01 52.22,80.01 52.35,79.88 52.35,72.49 52.27,72.42 44.55,72.42 44.48,72.34 44.48,71.35 44.42,71.3 44.07,71.3 44.02,71.35 44.02,72.34 43.94,72.42 36.04,72.42 35.97,72.49 35.97,72.52 35.94,72.54 35.94,79.96 35.99,80.01 43.89,80.01 43.97,80.09 43.97,83.62 43.13,83.62
GND_POWER on GND1: 1.85,150.47 302.92,150.47 302.92,2 1.85,2
GND_POWER on GND2: 302.92,1.98 1.98,1.98 1.98,150.47 302.92,150.47 ; 1 cut-out
GND_POWER on GND3: 2,150.47 302.92,150.47 302.92,2 2,2 ; 1 cut-out
VCC2V5 on TOP: 52.78,54 65.35,54 65.53,53.82 65.53,47.52 65.38,47.37 52.6,47.37 52.45,47.52 52.45,53.67
VCC2V5 on PWR2: 32.26,129.18 155.02,129.18 155.5,128.7 155.5,98.83 155.91,98.42 293.67,98.42 293.67,48.49 293.24,48.06 267.03,48.06 266.75,47.78 266.75,29.97 267.16,29.57 293.55,29.57 293.67,29.44 293.67,18.14 293.5,17.96 12.65,17.96 11.56,19.05 11.56,59.56 31.57,59.56 31.88,59.87 31.88,128.8 ; 1 cut-out
VCC3V3 on TOP (solid shape): 93.61,92.41 93.71,92.35 93.69,92.24 93.66,92.18 93.65,92.11 93.65,91.06 93.71,90.92 93.86,90.86 94.26,90.86 94.26,90.67 94.26,90.67 94.23,90.5 94.26,90.33 94.26,90.33 94.26,90.02 94.28,89.99 94.53,89.99 94.54,89.99 94.67,89.93 94.82,89.92 94.97,89.93 95.11,89.99 96.82,89.99 96.87,89.95 96.85,89.87 96.85,89.81 96.86,89.69 96.9,89.57 96.9,89.18 96.85,89.13 93.57,89.13 93.52,89.18 93.52,92.35 93.57,92.41
VCC3V3 on TOP: 56.46,79.65 62.94,79.65 63.17,79.43 63.17,71.83 62.99,71.65 56.64,71.65 56.39,71.91 56.39,79.58
VCC3V3 on PWR1: 45.52,88.54 1.57,88.54 1.22,88.9 1.22,149.78 2.41,150.98 302.49,150.98 303.1,150.37 303.1,2.03 302.59,1.52 46.38,1.52 45.85,2.06 45.85,88.21 ; 1 cut-out
VCC5V on TOP (solid shape): 27.79,70.87 27.79,65.41 27.68,65.3 23.48,65.3 23.11,65.43 22.75,65.3 21.18,65.3 21.18,71.02 27.64,71.02
VCC5V on PWR2: 147.83,150.9 147.96,151.03 148.01,150.98 300.51,150.98 300.53,151 302.49,151 303.15,150.34 303.15,2.51 302.34,1.7 274.12,1.7 273.41,2.41 273.41,16.66 273.99,17.25 293.8,17.25 294.34,17.78 294.34,29.46 293.8,30 268.3,30 267.49,30.81 267.49,46.89 268.05,47.45 293.4,47.45 293.42,47.42 294.89,47.42 295.4,47.93 295.4,119.3 157.12,119.3 156.84,119.58 156.84,128.78 155.98,129.64 31.67,129.64 31.62,129.69 31.29,129.36 31.29,60.12 30.96,59.79 11.66,59.79 11.66,131.85 11.1,132.41 1.22,132.41 1.22,150.47 1.65,150.9
VCCR_SFP INTERFACE_SFP1 on PWR2: 275.11,118.75 284.45,118.75 284.66,118.54 284.66,98.83 284.48,98.65 275.11,98.65 274.9,98.86 274.9,118.54
VCCR_SFP INTERFACE_SFP2 on PWR2: 252.98,118.75 262.33,118.75 262.53,118.54 262.53,98.86 262.36,98.68 252.98,98.68 252.78,98.88 252.78,118.54
VCCR_SFP INTERFACE_SFP3 on PWR2: 230.68,118.72 240.03,118.72 240.23,118.52 240.23,98.86 240.06,98.68 230.68,98.68 230.48,98.88 230.48,118.52
VCCR_SFP INTERFACE_SFP4 on PWR2: 201.5,118.72 210.85,118.72 211.05,118.52 211.05,98.88 210.87,98.7 201.5,98.7 201.29,98.91 201.29,118.52
VCCR_SFP INTERFACE_SFP5 on PWR2: 179.25,118.72 188.59,118.72 188.8,118.52 188.8,113.84 188.82,113.82 188.82,98.88 188.65,98.7 179.27,98.7 179.07,98.91 179.07,113.64 179.04,113.67 179.04,118.52
VCCR_SFP INTERFACE_SFP6 on PWR2: 157.05,118.72 166.4,118.72 166.6,118.52 166.6,98.86 166.42,98.68 157.05,98.68 156.84,98.88 156.84,118.52
VCCT_SFP INTERFACE_SFP1 on PWR2: 285.04,118.75 294.39,118.75 294.59,118.54 294.59,98.83 294.41,98.65 285.04,98.65 284.84,98.86 284.84,118.54
VCCT_SFP INTERFACE_SFP2 on PWR2: 262.99,118.75 272.34,118.75 272.54,118.54 272.54,98.86 272.36,98.68 262.99,98.68 262.79,98.88 262.79,118.54
VCCT_SFP INTERFACE_SFP3 on PWR2: 240.69,118.69 250.04,118.69 250.24,118.49 250.24,98.86 250.06,98.68 240.69,98.68 240.49,98.88 240.49,118.49
VCCT_SFP INTERFACE_SFP4 on PWR2: 211.51,118.72 220.85,118.72 221.06,118.52 221.06,98.88 220.88,98.7 211.51,98.7 211.3,98.91 211.3,118.52
VCCT_SFP INTERFACE_SFP5 on PWR2: 189.26,118.72 198.6,118.72 198.81,118.52 198.81,98.88 198.63,98.7 189.26,98.7 189.05,98.91 189.05,118.52
VCCT_SFP INTERFACE_SFP6 on PWR2: 167.06,118.72 176.4,118.72 176.61,118.52 176.61,98.86 176.43,98.68 167.06,98.68 166.85,98.88 166.85,118.52
VDD_FILT on TOP: 99.77,90.86 105.41,90.86 105.49,90.78 105.49,89.26 105.36,89.13 98.91,89.13 98.86,89.18 98.86,89.81 98.91,89.87 99.72,89.87 99.72,90.81
VDD_FILT on PWR2: 97.21,94.39 109.09,94.39 109.42,94.06 109.42,85.78 109.8,85.39 119.63,85.39 119.84,85.19 119.84,74.45 119.61,74.22 104.24,74.22 104.04,74.42 104.04,76.45 105.94,78.36 109.52,78.36 109.8,78.64 111.38,78.64 111.56,78.82 111.56,80.77 111.2,81.13 109.86,81.13 109.47,81.51 105.89,81.51 101.24,86.16 96.93,86.16 96.93,94.11
(no net) on TOP: 36.04,51.51 42.67,51.51 42.72,51.46 42.72,50.37 42.8,50.29 43.92,50.29 43.94,50.27 43.94,47.47 43.87,47.4 36.04,47.4 35.99,47.45 35.99,51.46
(no net) on TOP: 11.81,70.79 13.84,70.79 13.84,68.76 13.03,68.76 13.03,65.15 13.11,65.07 20.83,65.07 20.95,64.95 20.95,59.89 20.83,59.77 4.7,59.77 4.55,59.92 4.55,65.02 4.6,65.07 12.5,65.07 12.57,65.15 12.57,68.76 11.81,68.76
(no net) on TOP: 104.17,87.93 93.6,87.93 93.52,88.01 93.52,88.98 93.57,89.03 96.93,89.03 96.98,89.08 96.98,92.51 96.9,92.58 93.52,92.58 93.52,93.98 93.62,94.08 104.09,94.08 104.22,93.95 104.22,91.08 104.09,90.96 98.91,90.96 98.86,90.91 98.86,89.99 98.88,89.97 98.78,89.97 98.73,89.92 98.73,89.1 98.81,89.03 104.19,89.03 104.22,89 104.22,87.99
(no net) on TOP: 43.26,52.86 45.29,52.86 45.29,50.83 44.48,50.83 44.48,47.22 44.55,47.14 52.27,47.14 52.4,47.02 52.4,41.96 52.27,41.83 36.14,41.83 35.99,41.99 35.99,47.09 36.04,47.14 43.94,47.14 44.02,47.22 44.02,50.83 43.26,50.83
(no net) on TOP: 49.48,53.09 52.27,53.09 52.37,52.98 52.37,47.52 52.25,47.4 44.68,47.4 44.6,47.47 44.6,50.27 44.63,50.29 45.8,50.29 45.82,50.32 45.82,51.49 45.85,51.51 49.25,51.51 49.4,51.66 49.4,53.01
(no net) on TOP: 96.85,89.13 93.57,89.13 93.52,89.18 93.52,92.35 93.57,92.41 96.8,92.41 96.85,92.35 96.85,90.96 96.82,90.93 94.28,90.93 94.26,90.91 94.26,90.02 94.28,89.99 96.82,89.99 96.9,89.92 96.9,89.18
(no net) on TOP: 21.01,70.87 21.01,65.46 21.16,65.3 27.69,65.3 27.79,65.41 27.79,70.87 27.64,71.02 21.16,71.02
(no net) on TOP: 12.6,72.26 12.6,71.27 12.65,71.22 13,71.22 13.06,71.27 13.06,72.26 13.13,72.34 20.85,72.34 20.9,72.39 20.9,74.5 20.85,74.55 4.65,74.55 4.55,74.45 4.55,72.42 4.62,72.34 12.52,72.34
(no net) on TOP: 4.6,69.44 11.23,69.44 11.28,69.39 11.28,68.3 11.35,68.22 12.47,68.22 12.5,68.2 12.5,65.41 12.42,65.33 4.6,65.33 4.55,65.38 4.55,69.39
(no net) on TOP: 18.03,71.02 20.83,71.02 20.93,70.92 20.93,65.46 20.8,65.33 13.23,65.33 13.16,65.41 13.16,68.2 13.18,68.22 14.35,68.22 14.38,68.25 14.38,69.42 14.4,69.44 17.81,69.44 17.96,69.6 17.96,70.94
Net_70 on PWR1: 34.98,24.51 44.15,24.51 44.5,24.16 44.5,2.01 43.46,0.97 34.39,0.97 34.39,1 9,1 8,2 8,6.5 7,7.5 3,7.5 2,8.5 2,23.49 3,24.49 34.96,24.49
Net_72 on GND1: 101.14,85.9 95.28,85.9 94.44,85.06 94.44,73 95.38,72.06 101.12,72.06 103.78,74.73 103.78,76.56 105.84,78.61 109.42,78.61 109.7,78.89 111.15,78.89 111.3,79.04 111.3,80.67 111.1,80.87 109.75,80.87 109.37,81.25 105.79,81.25
VP2V5 on TOP (solid shape): 52.37,52.98 52.37,47.52 52.25,47.4 49.15,47.4 49.13,47.4 49.1,47.41 49.08,47.42 49.06,47.45 49.05,47.47 49.04,47.5 49.05,47.53 49.08,47.59 49.08,47.64 49.08,48.94 49.08,48.96 49.08,49 49.06,49.04 49.04,49.07 49.01,49.1 48.98,49.12 48.94,49.14 48.9,49.14 48.88,49.14 47.38,49.14 47.36,49.14 47.32,49.14 47.29,49.12 47.26,49.1 47.23,49.07 47.21,49.04 47.19,49 47.18,48.96 47.18,48.94 47.18,47.64 47.19,47.59 47.21,47.53 47.22,47.5 47.22,47.47 47.21,47.45 47.19,47.42 47.16,47.41 47.13,47.4 47.12,47.4 46.44,47.4 46.4,47.4 46.37,47.42 46.35,47.44 46.34,47.47 46.34,47.49 46.35,47.55 46.36,47.59 46.36,47.61 46.36,48.66 46.36,48.68 46.35,48.72 46.34,48.75 46.31,48.79 46.29,48.81 46.25,48.84 46.22,48.85 46.18,48.86 46.16,48.86 45.08,48.86 45.06,48.86 45.02,48.85 44.98,48.84 44.95,48.81 44.92,48.79 44.9,48.75 44.89,48.72 44.88,48.68 44.88,48.66 44.88,47.61 44.88,47.59 44.89,47.55 44.9,47.49 44.89,47.47 44.88,47.44 44.86,47.42 44.84,47.4 44.68,47.4 44.6,47.47 44.6,49.57 45.63,49.57 45.63,50.18 45.63,50.23 45.64,50.25 45.66,50.27 45.69,50.28 45.8,50.29 45.82,50.32 45.83,50.43 45.84,50.45 45.86,50.47 45.89,50.48 45.94,50.49 46.55,50.49 46.55,51.2 47.62,51.2 47.62,50.15 47.62,50.13 47.63,50.09 47.64,50.05 47.67,50.02 47.69,49.99 47.73,49.97 47.76,49.95 47.8,49.95 47.82,49.95 48.9,49.95 48.92,49.95 48.96,49.95 49,49.97 49.03,49.99 49.06,50.02 49.08,50.05 49.09,50.09 49.1,50.13 49.1,50.15 49.1,51.2 49.1,51.22 49.09,51.25 49.08,51.29 49.06,51.32 49.03,51.35 49,51.37 48.96,51.39 48.92,51.4 48.9,51.4 47.82,51.4 47.8,51.4 47.76,51.39 47.73,51.37 47.69,51.35 47.67,51.32 47.64,51.29 47.63,51.25 47.62,51.22 47.62,51.2 46.55,51.2 46.55,51.51 49.25,51.51 49.4,51.66 49.4,52.3 49.4,52.31 49.41,52.34 49.43,52.36 49.45,52.38 49.47,52.4 49.5,52.4 49.53,52.4 49.56,52.39 49.59,52.36 49.65,52.32 49.71,52.29 49.77,52.27 49.84,52.26 49.9,52.25 49.97,52.25 50.04,52.26 50.11,52.27 50.18,52.3 50.24,52.33 50.3,52.37 50.35,52.42 50.4,52.47 50.44,52.53 50.47,52.59 50.5,52.66 50.51,52.73 50.52,52.8 50.52,52.86 50.51,52.93 50.5,52.98 50.51,53.01 50.52,53.04 50.54,53.06 50.56,53.08 50.59,53.09 50.61,53.09 52.27,53.09
VP3V3 on TOP: 52.83,85.95 55.88,85.95 56.08,85.75 56.08,65.63 55.85,65.41 52.81,65.41 52.6,65.61 52.6,70.89 52.58,70.92 52.58,80.57 52.6,80.59 52.6,85.72
VP3V5 on TOP (solid shape): 42,51.49 42.61,51.49 42.69,51.5 42.72,51.46 42.72,50.37 42.8,50.29 43.82,50.29 43.89,50.26 43.92,50.19 43.92,49.57 43.94,49.57 43.94,47.47 43.87,47.4 36.04,47.4 35.99,47.45 35.99,51.46 36.04,51.51 42,51.51
VP3V5 on TOP: 36.02,69.52 42.65,69.52 42.7,69.47 42.7,68.38 42.77,68.3 43.89,68.3 43.92,68.28 43.92,65.48 43.84,65.41 36.02,65.41 35.97,65.46 35.97,69.47
VP3V5 on TOP: 21.44,37.9 21.44,53.59 21.64,53.8 27.69,53.8 27.91,53.57 27.91,37.87 27.71,37.67 21.67,37.67
VP3V5 on TOP: 35.99,84.38 42.62,84.38 42.67,84.33 42.67,83.24 42.75,83.16 43.87,83.16 43.89,83.13 43.89,80.34 43.81,80.26 35.99,80.26 35.94,80.31 35.94,84.33
VP5V on TOP (solid shape): 20.93,70.92 20.93,65.46 20.8,65.33 13.23,65.33 13.16,65.41 13.16,67.5 13.18,67.5 13.18,68.12 13.21,68.19 13.28,68.22 14.35,68.22 14.38,68.25 14.38,68.82 14.41,68.89 14.48,68.92 14.49,68.92 15.1,68.92 15.1,69.44 17.81,69.44 17.96,69.6 17.96,69.71 18,69.79 18.1,69.8 18.22,69.76 18.34,69.75 18.75,69.92 18.93,70.33 18.85,70.62 18.65,70.83 18.61,70.94 18.71,71.01 20.37,71.01 20.42,71 20.47,71 20.53,71 20.59,71.02 20.83,71.02
VP5V5 on TOP (solid shape): 10.55,69.42 11.16,69.42 11.24,69.43 11.28,69.39 11.28,68.3 11.35,68.22 12.37,68.22 12.45,68.19 12.47,68.12 12.47,67.5 12.5,67.5 12.5,65.41 12.42,65.33 4.6,65.33 4.55,65.38 4.55,69.39 4.6,69.44 10.55,69.44
VP5V5 on PWR1: 1.68,88.32 44.04,88.32 44.55,87.81 44.55,37.59 43.95,36.99 23.49,36.99 22.49,37.99 22.49,53.45 22.48,53.47 22.48,54.81 21.79,55.5 1.37,55.5 1.22,55.65 1.22,87.86
VP12V on TOP: 10.67,42.09 10.67,44.04 10.72,44.09 12.04,44.09 12.09,44.04 12.09,42.04 12.73,41.4 12.73,38.2 12.5,37.97 10.29,37.97 10.06,38.2 10.06,41.48
VP12V on TOP: 12.09,49.05 12.09,47.09 12.04,47.04 10.72,47.04 10.67,47.09 10.67,49.1 10.03,49.73 10.03,52.93 10.26,53.16 12.47,53.16 12.7,52.93 12.7,49.66
VP12V on TOP: 30.73,33.15 41.43,33.15 42.06,32.51 42.06,27.41 30.73,27.41
VP12V on PWR1: 3.5,53.99 19.99,53.99 21.49,52.49 21.49,37.99 22.99,36.49 43.98,36.49 44.53,35.94 44.53,25.48 44.04,24.99 3,24.99 2,25.99 2,52.49
N140138 on TOP: 14.1,44.68 14.1,46.96 14.17,47.04 15.24,47.04 15.47,47.27 15.47,47.96 15.57,48.06 18.57,48.06 18.75,47.88 18.75,43.13 18.62,43 15.6,43 15.49,43.1 15.49,44.32 15.21,44.6 14.17,44.6
N146225 on TOP: 49.45,71.09 52.25,71.09 52.35,70.99 52.35,65.53 52.22,65.41 44.65,65.41 44.58,65.48 44.58,68.28 44.6,68.3 45.77,68.3 45.8,68.33 45.8,69.49 45.82,69.52 49.23,69.52 49.38,69.67 49.38,71.02
N185241 on TOP: 52.2,84.38 45.8,84.38 45.77,84.35 45.77,83.19 45.75,83.16 44.58,83.16 44.55,83.13 44.55,80.34 44.63,80.26 52.2,80.26 52.32,80.39 52.32,84.25
VCC3V3 on TOP (solid shape): 96.85,92.35 96.85,90.96 96.82,90.93 95.21,90.93 95.17,90.97 95.12,91 95.13,91.03 95.13,91.07 95.13,92.12 95.12,92.18 95.09,92.24 95.08,92.35 95.17,92.41 96.8,92.41

## Text on the board
Ref Des/Silkscreen Bottom: LIGHT BAR | LPF-C031-303S | FMC CONN | 5.0V | 3.3V | 2.5V
Ref Des/Silkscreen Top: 5.5V PWR GOOD | FAN +12V | (+) | 5V PWR GOOD | GPS CLOCK | SYNC | G | VCC5V | (-) | 5.5V PWR | PPS | 3.3V PWR GOOD | 2.5V PWR GOOD | 12V MAIN | 12V FUSE | 12V SW | USE 4A FUSE | VCC3V3 | VCC2V5 | FPGA PWR GOOD | OVERVOLTAGE | FPGA I/O | SCL | 3 | SDA | IRIG | 2 | 1 | 0 | 1.8V PWR GOOD | INPUT LEVEL | 3.3V | 5V | CLK LOL | 1.8V | CLOCK GEN OUT | MAIN | 6 | 5 | 4 | RJ45 CM | SPARE RJ45 | LEMO | 5.0V | OUT | IN | SPARE I/O | GND | BNC | 12VDC (4A) | SFP 7 - pls chk | LOS/FAULT | SFP | LOS/LOL | CDR | SFP 6 | SFP 5 | SFP 4 | SFP 3 | SFP 2 | LEMO_1 | LEMO_0 | BNC_0 | BNC_1 | SFP 1 | J Klein | J Sensenig | R Van Berg | G Mayers | GPS INTERFACE BOARD | July 2020 | S Trilov | D Cussans
XSECTION_CHART: *  SURFACE | L1 TOP CONDUCTOR | *  DIELECTRIC | L2 GND1 PLANE | L3 PWR1 CONDUCTOR | L4 GND2 PLANE | L5 SIG CONDUCTOR | L6 PWR2 CONDUCTOR | L7 GND3 PLANE | L8 BOTTOM CONDUCTOR | DESIGN CROSS SECTION CHART | ___________________________ | TOTAL THICKNESS 59.6 MIL | 1-8 | 1-1
DISPLAY_BOTTOM: FIGURE | FINISHED_SIZE | 10.0 | 11.81 | 33.46 | 35.04 | 37.4 | 38.58 | 39.37 | 40.0 | 41.34 | 50.39 | 64.96 | 66.14 | 79.13 | 106.0 | 51.2 | 61.02 | 131.1 | 130.0x90.0 | ROTATION | - | 90.000 | DRILL CHART: TOP to BOTTOM | ALL UNITS ARE IN MILS | TOLERANCE_DRILL | +0.0/-0.0 | +2.0/-2.0 | +3.0/-3.0 | +10.0/-0.0 | TOLERANCE_TRAVEL | PLATED | NON-PLATED | QTY | 1768 | 30 | 297 | 6 | 8 | 54 | 10 | 73 | 12 | 28 | 60 | 4 | 2 | 11
DEVICE_TYPE_BOTTOM: FIGURE | FINISHED_SIZE | 10.0 | ROTATION | - | DRILL CHART: TOP to TOP | ALL UNITS ARE IN MILS | TOLERANCE_DRILL | +5.0/-5.0 | TOLERANCE_TRAVEL | PLATED | QTY | 2
